# Altium PCB spin5v1_simple.PcbDoc (part 13 of 25)
Units mm, origin at the board's own origin, x right, y up, seen from the top; angles counter-clockwise.
Board outline 220.03 x 233.43 mm, 2 copper layers (TOP, BOTTOM), stack 0.176 mm thick; 1457 components, 4724 nets, 19245 pads, 25289 vias.
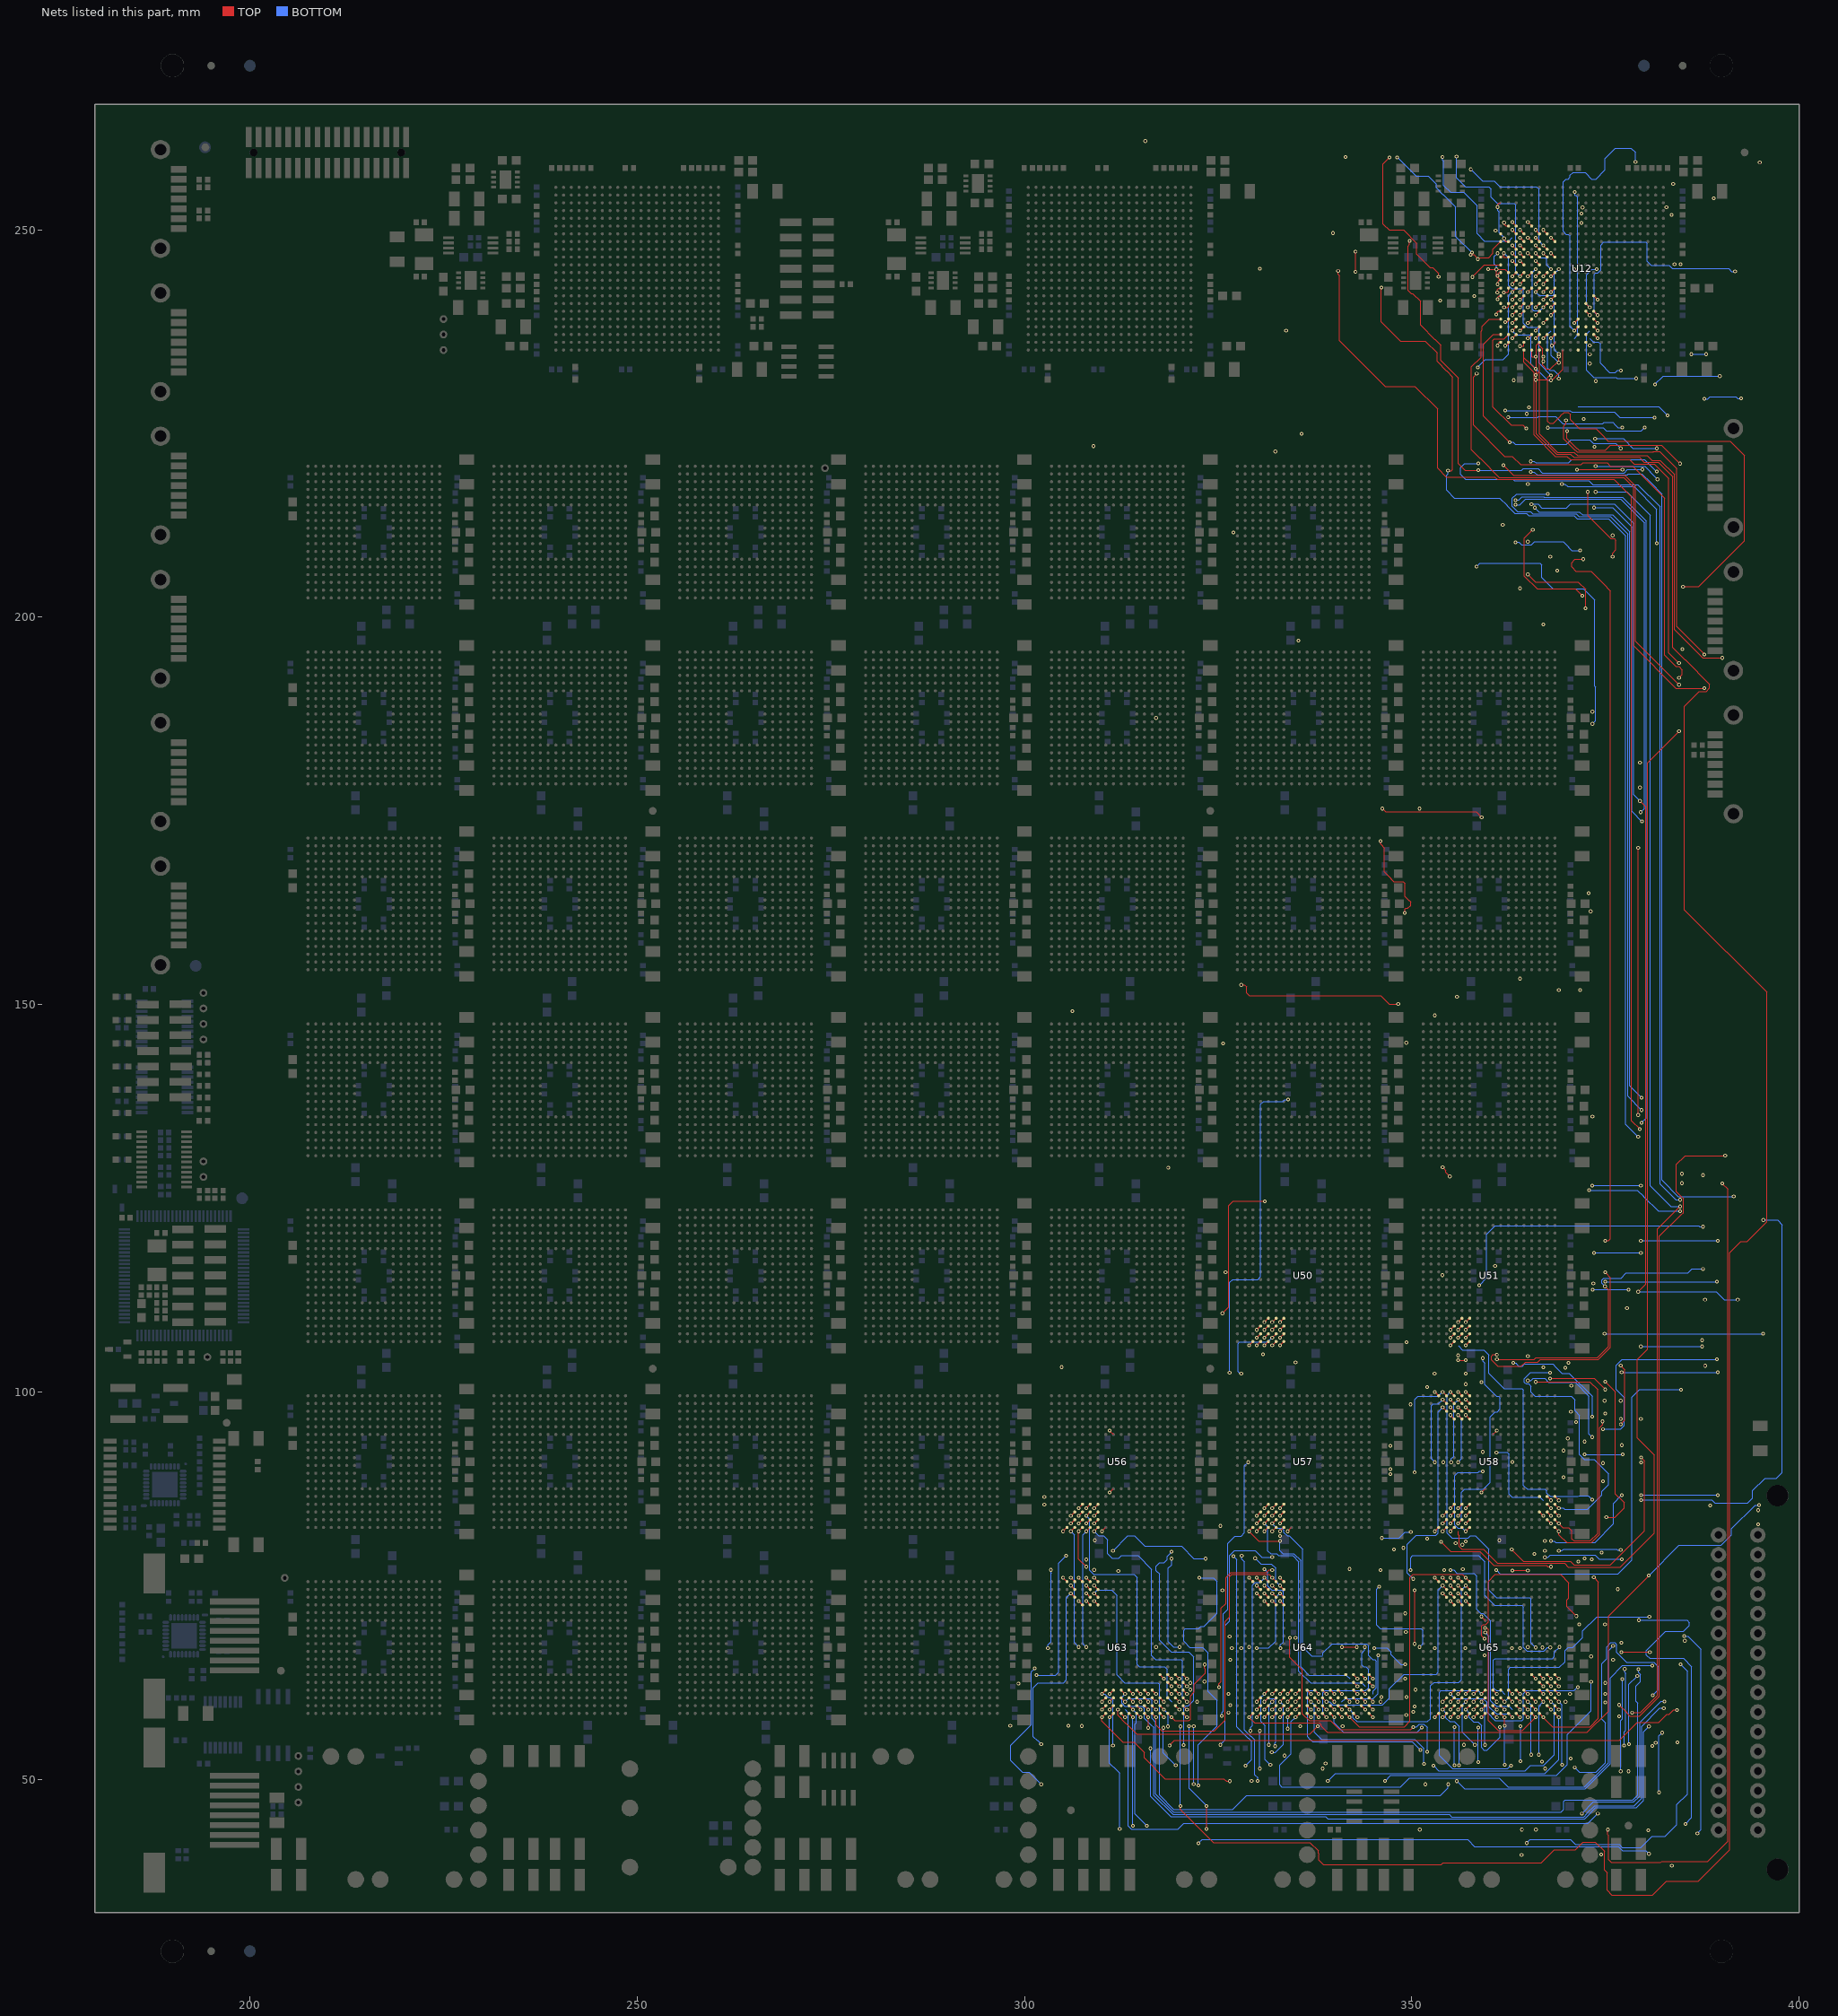
[diagram p13: the nets of this part, all layers, seen from the top]

## Via types
v1: diameter 0.48, hole 0.25, TOP to BOTTOM, 22348 vias
v2: diameter 0.61, hole 0.3, TOP to BOTTOM, 2059 vias
v3: diameter 0.8, hole 0, TOP to BOTTOM, 882 vias

## Nets (pads, with @x,y where several pads share a name; then routed paths per layer and width w, separated by ;. In a path a pad name is that pad's centre, name@x,y a point inside that pad or via, vN(x,y) a via of type N, cw(c..) or ccw(c..) an arc to the next point about the centre after c; other vN are vias at no path point) (continued)
S31_L2<5>: U51.V5 U58.P16 | length 11.6
  BOTTOM w0.127: v1(360.955,92.172) 362.362,92.172 362.561,91.973 362.561,86.828 362.958,86.431 366.569,86.431 367,86
  other v1: 355,106 353.966,115.066 360.776,116.258
S31_L2<6>: U51.U5 U58.P17
  other v1: 368,86 372.325,93.586 370.564,97.453 355,107
S31_L2<7>: U51.T5 U58.P18 | length 1
  TOP w0.127: v1(356,104.093) v1(357,104.093)
  other v1: 369,86 370.163,93.998 365,104.636 355,108
S31_L2<8>: U51.R7 U58.V18 | length 21.3
  TOP w0.127: v1(369,82) 369,81.546 370.016,80.53 373.201,80.53 374.281,81.61 374.281,95.4 374.65,95.769 v1(374.65,96.2)
  other v1: 357,109
S31_L2<9>: U51.V6 U58.R17 | length 34.4
  BOTTOM w0.127: 356,106 356.578,105.422 359.304,105.422 359.939,104.787 359.939,102.4 361.908,100.431 364.232,100.431 364.431,100.232 364.431,87.939 364.939,87.431 367.232,87.431 367.431,87.232 367.431,86.949 367.876,86.504 371.494,86.504 371.579,86.589 372.808,86.589 v1(373.315,86.082)
  other v1: 372.312,78.484 367.2,80.749 368,85
S31_L2<10>: U51.U6 U58.R18 | length 33.5
  BOTTOM w0.127: v1(367.862,102.485) 365.363,102.485 364.569,101.691 364.569,101.237 364.768,101.038 365.113,101.038 365.431,100.72 365.431,99.939 365.939,99.431 370.613,99.431 371.058,98.986 371.058,97.582 371.668,96.972 371.668,91.909 372.303,91.274 373.558,91.274 375.4,89.432 375.4,88.037 374.539,87.176 374.539,86.679 372.697,84.837 369.767,84.837 369.604,85 v1(369,85)
  other v1: 356,107
S31_L2<11>: U51.T6 U58.T16 | length 14.9
  BOTTOM w0.127: v1(363.117,103.744) 363.548,103.744 363.548,103.594 363.802,103.34 364.301,103.34 364.562,103.601 368.219,103.601 368.616,103.204 368.616,103.175 369.378,102.413 370.342,102.413 373.327,99.428 v1(373.327,96.8)
  other v1: 367,84 356,108
S31_L2<12>: U51.R6 U58.T17
  other v1: 368,84 369.607,88.984 359.2,92.258 369.607,92.431 356,104.7 356,109
S31_L2<13>: U51.V7 U58.T18
  other v1: 369,84 370.627,100.807 357,106
S31_L2<14>: U51.U7 U58.U17 | length 15.5
  TOP w0.127: v1(353.8,80.642) 355.034,79.408 358.817,79.408 359.611,78.614 359.611,78.605 360.627,77.589 367.415,77.589 367.569,77.435 v1(368,77.435)
  other v1: 368,83 357,107
S31_L2<15>: U51.T7 U58.U18 | length 33.9
  TOP w0.127: v1(366,101.297) 373.011,101.297 374.027,100.281 374.027,81.737 373.074,80.784 370.947,80.784 370.693,81.038 370.693,82.051 370.248,82.496 369.504,82.496 v1(369,83)
  other v1: 359,101.254 357,108
S31_L5<0>: U12.F2 U58.R5 | length 2.5
  TOP w0.127: v1(354,129.015) 354.431,128.584 354.431,128.312 v1(354.934,127.809) ; v1(361.931,250.931) 361.931,250.74 362.171,250.5 U12.F2@362.5,250.5
  other v1: 355,85 360.834,249.931 361.901,250.966
S31_L5<1>: U12.F3 U58.V3 | length 7.7
  TOP w0.127: v1(367.862,101.728) 373.582,101.728 374.535,100.775 374.535,100.773 v1(375,100.308)
  other v1: 353,82 357,102.37 373.001,232.754 363,251
S31_L5<2>: U12.F5 U58.V4 | length 24.4
  BOTTOM w0.127: v1(374.713,95.2) 376.987,95.2 377.432,95.645 377.432,99.285 376.416,100.301 376.416,103.444 377.178,104.206 v1(389.413,104.206)
  other v1: 354,82 365,251 382.901,252.931
S31_L5<3>: U12.G1 U58.U4 | length 85.7
  TOP w0.127: v1(349.731,248.567) 349.731,248.136 349.534,247.939 349.534,242.189 349.931,241.792 350.129,241.792 351.145,240.776 351.145,237.736 352.987,235.894 352.998,235.894 353.792,235.1 353.792,233.132 354.586,232.338 354.596,232.338 356.057,230.877 356.057,219.812 356.883,218.986 v1(358.6,218.986) ; v1(362.917,79.642) 364.436,78.123 370.52,78.123 370.99,77.653 375.68,77.653 380.062,82.035 380.062,91.086 v1(379.631,91.517)
  BOTTOM w0.127: v1(358.6,218.986) 364.209,218.986 364.401,219.178 366.321,219.178 366.866,218.633 377.433,218.633 377.874,219.074 v1(379.82,219.074)
  other v1: 354,83
S31_L5<4>: U12.G3 U58.T4
  other v1: 373.265,78.404 365.86,79.066 354,84 372.2,225.592 363,250 371.931,250.901
S31_L5<5>: U12.G4 U58.V5
  other v1: 355,82 357,101 370.227,103.739 364,250
S31_L5<6>: U12.G6 U58.U5
  other v1: 355,83 367,233.647 366,250
S31_L5<7>: U12.G7 U58.T5
  other v1: 374.542,79.266 367.2,79.5 355,84 373,233.954 367,250 371.932,252.099
S31_L5<8>: U12.H1 U58.R7 | length 138.2
  TOP w0.127: v1(361,104.811) 360.515,104.811 360.316,104.612 360.316,104.107 361.11,103.313 364.16,103.313 364.702,103.855 366.289,103.855 366.604,104.17 374.097,104.17 375.685,105.758 375.685,114.746 v1(375,115.431) ; v1(372.143,207.503) 371.102,207.503 370.657,207.058 370.657,206.508 371.229,205.936 373.163,205.936 374.751,204.348 374.751,204.343 375.685,203.409 375.685,119.757 375.431,119.503 v1(375,119.503)
  BOTTOM w0.127: v1(348.131,259.368) 350.568,256.931 352.173,256.931 353.189,255.915 353.189,255.421 354.015,254.595 354.046,254.595 355.697,252.944 355.697,249.164 v1(357.796,247.065)
  other v1: 357,85 358.531,246.244 357.619,246.8
S31_L5<9>: U12.H2 U58.V6 | length 141
  TOP w0.127: 356,82 356,81.569 356.116,81.453 356.116,80.059 356.513,79.662 359.293,79.662 360.119,78.836 360.119,78.822 361.072,77.869 369.758,77.869 370.228,77.399 376.939,77.399 381.321,81.781 381.321,91.861 379.115,94.067 379.115,104.164 380.465,105.514 380.465,181.224 v1(384.52,185.279)
  BOTTOM w0.127: v1(361.099,252.931) 361.099,252.5 361.296,252.303 361.296,249.635 v1@361.931,249
  other v1: 361.931,248.901 361.099,252.998
S31_L5<10>: U12.H3 U58.U6 | length 79.5
  BOTTOM w0.127: v1(353.993,259.417) 353.993,258.986 354.131,258.848 354.131,255.738 355.02,254.849 356.72,254.849 358.435,253.134 358.435,249.522 359.388,248.569 362.569,248.569 363,249 ; v1(356,83) 356.432,83.432 356.432,87.05 356.813,87.431 359.25,87.431 360.139,88.32 360.139,96.796 360.774,97.431 361.05,97.431 361.431,97.812 361.431,99.232 361.232,99.431 360.955,99.431 359.431,100.955 359.431,103.703 359.2,103.934 v1(359.2,104.365) ; v1(358.736,113.758) 359.685,114.707 359.685,120.351 360.765,121.431 387.068,121.431 387.169,121.33 v1(387.6,121.33)
  other v1: 359,87 361,95
S31_L5<11>: U12.H4 U58.T6 | length 2.6
  TOP w0.127: v1(342.758,244.607) v1(342.758,247.2)
  other v1: 356,84 363.17,230.602 364,249
S31_L5<12>: U12.H5 U58.R6
  other v1: 356,85 365,249
S31_L5<13>: U12.H6 U58.V7 | length 51.4
  TOP w0.127: v1(379.249,135.75) v1(379.249,170.216)
  BOTTOM w0.127: v1(357,82) 356.569,82.431 355.95,82.431 355.569,82.812 355.569,89.185 355.95,89.566 358.593,89.566 358.769,89.742 v1(359.2,89.742) ; v1(372.315,91.917) v1(377.255,91.917)
  other v1: 366,249
S31_L5<14>: U12.H8 U58.U7
  other v1: 357,83 368,249
S31_L5<15>: U12.J1 U58.T7 | length 37.7
  TOP w0.127: v1(361.001,104.204) 365.829,104.204 366.049,104.424 373.97,104.424 375.431,105.885 375.431,113.149 v1(374.958,113.622)
  BOTTOM w0.127: v1(374.958,113.622) 374.569,114.011 374.569,114.461 374.768,114.66 377.026,114.66 377.711,115.345 385.692,115.345 386.221,115.874 v1(387.6,115.874)
  other v1: 357,84
S32_L0<0>: U12.J3 U65.R11 | length 35.4
  BOTTOM w0.127: 362,61 361.569,61.431 360.95,61.431 360.569,61.812 360.569,65.367 360.768,65.566 368.177,65.566 368.431,65.82 368.431,66.4 v1(369.1,67.069) ; v1(374.9,107.51) v1(395.398,107.51)
  other v1: 374.715,88.477 363,248
S32_L0<1>: U12.J4 U65.V10 | length 84
  TOP w0.127: v1(376.779,59.6) 377.72,58.659 377.72,58.614 378.165,58.169 379.449,58.169 381.989,60.709 381.989,120.083 384.783,122.877 384.837,122.877 385.091,123.131 385.091,124.974 384.837,125.228 384.83,125.228 384.195,125.863 384.195,129.354 385.338,130.497 v1(390.493,130.497)
  other v1: 361,58 364,248
S32_L0<2>: U12.J6 U65.U10
  other v1: 361,59 373.177,65.842 373.793,230.492 366,248 372.069,252.901
S32_L0<3>: U12.J7 U65.T10 | length 63.6
  BOTTOM w0.127: v1(357.641,257.821) 359.134,256.328 360.639,256.328 361.4,255.567 366.113,255.567 366.431,255.249 366.431,248.569 v1(367,248) ; v1(360.928,77) 361.409,76.519 376.67,76.519 378.448,78.297 378.448,99.324 379.401,100.277 v1(384.796,100.277)
  other v1: 361,60
S32_L0<4>: U12.K1 U65.R10
  other v1: 361,61 377.128,93.117
S32_L0<5>: U12.K2 U65.V11 | length 82.3
  TOP w0.127: 362,58 362,57.569 362.007,57.562 v1(362.007,56.907) ; v1(368,231.209) 367.808,231.209 367.568,230.969 367.568,225.3 367.822,225.046 368.294,225.046 369.247,225.999 369.247,226.002 369.692,226.447 370.242,226.447 370.496,226.193 370.496,225.484 371.639,224.341 373.797,224.341 374.432,223.706 374.432,223.693 375.385,222.74 391.149,222.74 392.991,220.898 392.991,209.857 387.085,203.951 v1(385.045,203.951)
  BOTTOM w0.127: v1(362.007,51.859) v1(362.007,56.907) ; 362.066,246.901 362.53,246.437 362.53,242.828 362.927,242.431 364.232,242.431 364.431,242.232 364.431,237.939 364.939,237.431 366.232,237.431 366.431,237.232 366.431,232.778 v1(368,231.209)
S32_L0<6>: U12.K3 U65.U11 | length 8.8
  BOTTOM w0.127: v1(381.407,230.061) 382.477,231.131 v1(389.786,231.131)
  other v1: 362,59 363,247
S32_L0<7>: U12.K4 U65.T11 | length 26.7
  BOTTOM w0.127: v1(362,60) 362.508,60.508 362.508,64.177 362.762,64.431 369.086,64.431 369.785,65.13 369.785,66.575 370.23,67.02 370.798,67.02 372.068,68.29 372.068,69.126 373.91,70.968 v1(380.705,70.968)
  other v1: 364,247
S32_L0<8>: U12.K5 U65.R9 | length 24
  BOTTOM w0.127: v1(359,61) 358.569,61.431 353.768,61.431 353.569,61.232 353.569,53.078 355.284,51.363 362.414,51.363 v1(362.814,51.763)
  other v1: 384.951,195.878 383.935,245.59 365,247
S32_L0<9>: U12.K6 U65.V8 | length 3.3
  BOTTOM w0.127: v1(366,247) 366.569,246.431 367.232,246.431 367.431,246.232 367.431,245.5 v1(368,244.931)
  other v1: 358,58
S32_L0<10>: U12.K7 U65.U8 | length 3.7
  TOP w0.127: v1(377.097,66.4) v1(380.749,66.4)
  other v1: 358,59 359.434,66 366.901,67 367,247
S32_L0<11>: U12.K8 U65.T8
  other v1: 358,60 374.976,62.428 371.001,244.931 368,247
S32_L0<12>: U12.L1 U65.R8 | length 65.2
  TOP w0.127: v1(358.4,231.464) 357.969,231.033 357.969,224.788 361.97,220.787 362.997,220.787 364.089,219.695 371.888,219.695 372.129,219.936 375.232,219.936 375.663,219.505 378.552,219.505 382.68,215.377 382.68,195.108 384.141,193.647 384.505,193.647 384.95,193.202 384.95,192.592 v1(384.52,192.162)
  BOTTOM w0.127: v1(355.524,51.794) v1(355.524,56.744)
  other v1: 358,61 357.842,243.927
S32_L0<13>: U12.L3 U65.V9
  other v1: 359,58 363,246
S32_L0<14>: U12.L4 U65.U9 | length 4.5
  BOTTOM w0.127: v1(358.602,52.194) v1(358.602,56.688)
  other v1: 359,59 387.488,106.672 387.887,111.896 364,246
S32_L0<15>: U12.L6 U65.T9 | length 127.5
  BOTTOM w0.127: v1(358.6,219.848) 356.832,219.848 356.324,219.34 356.324,218.451 356.959,217.816 363.09,217.816 363.29,217.616 372.887,217.616 373.379,217.124 379.214,217.124 382.072,214.266 382.072,126.829 384.104,124.797 v1(384.656,124.797) ; v1(359,60) 359.464,59.536 v1(359.464,54.441)
  other v1: 384.319,54.762 366,246
S32_L1<0>: U58.D7 U65.V16 | length 26.5
  TOP w0.127: v1(367,58) 368.216,56.784 373.036,56.784 374.116,57.864 374.116,75.484 v1(373.512,76.088)
  other v1: 371.227,96.108 357,97
S32_L1<1>: U58.A6 U65.V14
  other v1: 365,58 364,66.931 356,100
S32_L1<2>: U58.B6 U65.U14 | length 8.4
  BOTTOM w0.127: v1(355.099,90.931) 355.099,91.362 355.431,91.694 355.431,98.431 v1(356,99)
  other v1: 365,59
S32_L1<3>: U58.C6 U65.T14 | length 7
  BOTTOM w0.127: v1(365,60) 365.432,59.568 v1(365.432,53.158)
  other v1: 348.917,79.863 356,98
S32_L1<4>: U58.D6 U65.R14 | length 6.4
  BOTTOM w0.127: v1(356,90.931) 356.432,91.363 356.432,96.568 v1(356,97)
  other v1: 365,61
S32_L1<5>: U58.A7 U65.V15 | length 19.6
  TOP w0.127: v1(359.487,69.541) 359.686,69.541 359.926,69.301 359.926,57.574 361.196,56.304 364.304,56.304 366,58
  other v1: 352,81.042 357,100 352,100.607
S32_L1<6>: U58.B7 U65.U15 | length 2
  TOP w0.127: v1(363,76.95) v1(365,76.95)
  other v1: 366,59 357,99
S32_L1<7>: U58.C7 U65.T15
  other v1: 350.393,59.4 366,60 357,98 349.856,98.4
S32_L1<8>: U58.D5 U65.R13
  other v1: 364,61 354.099,90.931 355,97
S32_L1<9>: U58.A3 U65.V12 | length 13.3
  BOTTOM w0.127: v1(359.495,68.934) 359.972,68.457 359.972,59.384 360.925,58.431 362.569,58.431 363,58
  other v1: 355.685,80.463 353,100
S32_L1<10>: U58.A4 U65.U12 | length 37.4
  BOTTOM w0.127: v1(350.393,89.6) 350.393,99.034 350.79,99.431 353.431,99.431 v1(354,100) ; v1(355.014,77) 355.445,77 355.875,76.57 358.05,76.57 358.431,76.189 358.431,71.939 358.939,71.431 359.21,71.431 360.226,70.415 360.226,60.13 360.925,59.431 362.569,59.431 363,59
S32_L1<11>: U58.B4 U65.T12 | length 9.2
  BOTTOM w0.127: v1(353,90.931) 352.569,91.362 352.569,98.232 352.768,98.431 353.431,98.431 v1(354,99)
  other v1: 363,60
S32_L1<12>: U58.C4 U65.R12 | length 25.8
  BOTTOM w0.127: v1(350.204,75.862) 349.434,76.632 349.434,80.33 350.577,81.473 353.113,81.473 353.431,81.791 353.431,97.431 v1(354,98)
  other v1: 363,61 350.482,61.57
S32_L1<13>: U58.A5 U65.V13 | length 42.6
  BOTTOM w0.127: v1(355,100) 354.568,99.568 354.568,81.773 355.203,81.138 357.299,81.138 357.564,81.403 358.224,81.403 359.939,79.688 359.939,74.447 360.955,73.431 365.232,73.431 365.431,73.232 365.431,67.582 v1(366.013,67)
  other v1: 364,58
S32_L1<14>: U58.B5 U65.U13
  other v1: 364,59 356.547,80.263 355,99
S32_L1<15>: U58.C5 U65.T13
  other v1: 364,60 361.328,80.842 355,98
S32_L2<0>: U50.R5 U65.R16
  other v1: 367,61 330.8,104.842 331,109
S32_L2<1>: U50.V3 U65.N15 | length 5.1
  BOTTOM w0.127: v1(345.174,66.931) 346.837,66.931 347.345,66.423 347.345,66.089 348.615,64.819 v1(349.167,64.819)
  other v1: 366,63 329,67.069 329,106
S32_L2<2>: U50.V4 U65.N16
  other v1: 349.342,60.6 367,63 347.237,89.4 330,106
S32_L2<3>: U50.U4 U65.N17 | length 16.9
  BOTTOM w0.127: v1(330.4,51.363) v1(330.4,56.242) ; v1(376.992,51.022) 376.992,57.576 377.212,57.796 v1(377.212,62.916)
  other v1: 368,63 330,107
S32_L2<4>: U50.T4 U65.N18
  other v1: 369.863,60 369,63 330,108
S32_L2<5>: U50.V5 U65.P16
  other v1: 367,62 354.207,77.001 335,103.79 331,106
S32_L2<6>: U50.U5 U65.P17
  other v1: 368,62 347.267,90.007 331,107
S32_L2<7>: U50.T5 U65.P18 | length 66.3
  BOTTOM w0.127: v1(328.063,78.854) 328.063,78.423 328.432,78.054 328.432,56.361 329.226,55.567 329.256,55.567 329.764,55.059 329.764,50.584 330.133,50.215 v1(330.133,49.763) ; v1(346.565,49.763) 347.293,50.491 368.72,50.491 370.117,51.888 370.117,55.773 371.324,56.98 371.335,56.98 373.177,58.822 v1(373.177,62.558)
  other v1: 369,62 331,108
S32_L2<8>: U50.R7 U65.V18 | length 71.1
  BOTTOM w0.127: v1(325.481,58.189) 325.481,58.62 325.658,58.797 325.658,71.355 326.259,71.956 326.259,80.413 327.212,81.366 327.986,81.366 328.431,81.811 328.431,90.461 v1(328.901,90.931) ; v1(339.177,49.761) 340.161,50.745 367.222,50.745 369,52.523 v1(369,58)
  other v1: 368,60 333,109
S32_L2<9>: U50.V6 U65.R17
  other v1: 368,61 349.167,63 347.252,93.023 332,106
S32_L2<10>: U50.U6 U65.R18 | length 8.9
  BOTTOM w0.127: v1(328,102.367) 327.809,102.367 327.569,102.607 327.569,106.232 327.768,106.431 331.431,106.431 v1(332,107)
  other v1: 335.6,56.842 369,61 328,66.931
S32_L2<11>: U50.T6 U65.T16 | length 38.1
  TOP w0.127: v1(334.264,68.242) 334.264,65.75 335.891,64.123 335.891,58.458 336.78,57.569 339.496,57.569 340.654,56.411 349.871,56.411 v1(350.204,56.744)
  BOTTOM w0.127: v1(350.204,56.744) 350.635,56.744 351.01,57.119 351.568,57.119 352.013,56.674 v1(352.013,53.558) ; v1(366.431,53.158) 366.431,59.431 v1(367,60)
  other v1: 332,108
S32_L2<12>: U50.R6 U65.T17 | length 52
  BOTTOM w0.127: v1(327,78.782) 327.432,78.35 327.432,56.774 328.893,55.313 328.913,55.313 329.31,54.916 329.31,52.523 v1(328.55,51.763) ; v1(352.819,51.763) 353.473,51.109 364.68,51.109 365.365,51.794 367.035,51.794 368.432,53.191 368.432,59.568 368,60
  other v1: 332,109
S32_L2<13>: U50.V7 U65.T18 | length 39.4
  BOTTOM w0.127: v1(325.298,54.441) 325.912,55.055 325.912,69.831 326.513,70.432 326.513,78.904 327.148,79.539 329.793,79.539 330.669,78.663 v1(332,78.663) ; v1(369,60) 369.432,59.568 v1(369.432,51.862)
  other v1: 333,106
S32_L2<14>: U50.U7 U65.U17
  other v1: 350.204,58.693 368,59 333,107
S32_L2<15>: U50.T7 U65.U18
  other v1: 369,59 333,108
S32_L5<0>: U12.M1 U65.R5 | length 158.6
  TOP w0.127: v1(346.083,242.568) 346.083,238.117 348.56,235.64 351.76,235.64 353.284,234.116 353.284,233.037 354.491,231.83 354.501,231.83 355.295,231.036 355.295,219.059 355.168,218.932 v1(354.7,218.932)
  BOTTOM w0.127: v1(354.7,218.932) 354.7,218.501 354.511,218.312 354.511,216.394 355.527,215.378 361.367,215.378 362.32,214.425 362.32,214.399 363.336,213.383 364.848,213.383 365.139,213.092 370.997,213.092 371.363,212.726 375.435,212.726 377.658,210.503 377.658,134.511 v1(379.249,132.92) ; v1(355,61) 355.569,60.431 359.21,60.431 359.718,59.923 359.718,58.649 360.798,57.569 364.232,57.569 364.431,57.768 364.431,61.05 364.812,61.431 370.994,61.431 v1(371.455,61.892)
  other v1: 362,58 363,58 366,58 359,71 377.8,110.796 361.099,243 361.099,244.065 359.895,244.927
S32_L5<1>: U12.M2 U65.V3 | length 141.7
  TOP w0.127: v1(340.508,244.726) 340.508,244.295 340.685,244.118 340.685,235.7 346.591,229.794 350.415,229.794 353.336,226.873 353.336,219.267 354.479,218.124 360.743,218.124 361.059,217.808 376.118,217.808 376.809,217.117 376.814,217.117 378.402,215.529 378.402,134.999 v1(379.465,133.936)
  other v1: 353,58 374.976,59.925 379.594,96.531
S32_L5<2>: U12.M3 U65.V4
  other v1: 354,58 376.781,58.117 384.884,126.952 373.001,235.099 363,244 384.705,245.591 383.566,251.931
S32_L5<3>: U12.M4 U65.U4 | length 30.3
  BOTTOM w0.127: v1(354,59) 354.431,58.569 354.431,57.937 354.939,57.429 355.496,57.429 356.131,56.794 v1(356.131,51.794) ; v1(355.793,259.459) 355.793,256.709 356.936,255.566 359.94,255.566 360.258,255.248 360.258,254.257 361.084,253.431 363.232,253.431 363.431,253.232 363.431,244.569 v1(364,244)
S32_L5<4>: U12.M5 U65.T4
  other v1: 354,60 365,244
S32_L5<5>: U12.M6 U65.V5
  other v1: 355,58 371.637,69.978 374.959,69.978 366,244
S32_L5<6>: U12.M7 U65.U5 | length 44.3
  TOP w0.127: v1(359.434,68.134) 359.056,68.512 359.056,69.773 359.255,69.972 359.573,69.972 359.891,70.29 359.891,75.542 360.78,76.431 369.213,76.431 370.293,75.351 370.293,73.389 370.069,73.165 370.069,72.26 v1(371.268,71.061) ; v1(375,101.308) 376.308,100 376.308,86.828 377.197,85.939 377.232,85.939 377.431,85.74 377.431,85.02 376.224,83.813 v1(375.146,83.813)
  other v1: 355,59 367,103.17 366.999,233.04 367,244
S32_L5<7>: U12.M8 U65.T5
  other v1: 355,60 376.6,74.538 368,244
S32_L5<8>: U12.N1 U65.R7 | length 4
  TOP w0.127: v1(360.943,244.901) 360.943,244.057 U12.N1@361.5,243.5
  BOTTOM w0.127: v1(360.943,244.901) 360.943,245.332 360.668,245.607 360.668,246.569 v1(361.099,247)
  other v1: 366.831,52.262 381.502,54.717 357,61
S32_L5<9>: U12.N3 U65.V6
  other v1: 356,58 374.714,90.8 373.342,187.807 361.769,211.936 363,243
S32_L5<10>: U12.N4 U65.U6
  other v1: 356,59 364,243
S32_L5<11>: U12.N6 U65.T6
  other v1: 356,60 366,243
S32_L5<12>: U12.N7 U65.R6 | length 13.9
  TOP w0.127: v1(371.35,219.064) v1(377.222,219.064) ; v1(377,103.392) 377.532,102.86 377.532,96.362 v1(377.001,95.831)
  other v1: 356,61 367,243
S32_L5<13>: U12.P1 U65.V7 | length 25.3
  TOP w0.127: v1(345.99,171.087) 345.99,170.701 346.486,170.205 346.486,167.117 347.366,166.237 347.366,166.184 347.684,165.866 348.912,165.866 349.166,165.612 349.166,163.939 349.674,163.431 349.688,163.431 349.887,163.232 349.887,162.812 349.506,162.431 349.266,162.431 349.166,162.331 349.166,162.312 349.127,162.273 v1(349.127,161.842) ; v1(346.231,175.297) 346.663,174.865 358.327,174.865 v1(359.034,174.158)
  other v1: 357,58 352.966,102.358 349.342,106.4 361.069,241.931
S32_L5<14>: U12.P2 U65.U7 | length 193.9
  TOP w0.127: v1(365.639,211.31) 364.569,210.24 364.569,205.316 366.22,203.665 371.149,203.665 v1(372.034,202.78) ; v1(378.48,58.6) 379.512,58.6 381.735,60.823 381.735,121.014 v1(384.656,123.935)

## Text inside footprints (layer, text, board x,y; h text height)
U17: PIN_NUMBER "M17" at 247.166,208.5 h0.24; PIN_NUMBER "M18" at 248.166,208.5 h0.24; PIN_NUMBER "J18" at 248.166,211.5 h0.24; PIN_NUMBER "J17" at 247.166,211.5 h0.24; PIN_NUMBER "C16" at 246.166,217.5 h0.24; PIN_NUMBER "G17" at 247.166,213.5 h0.24; PIN_NUMBER "J16" at 246.166,211.5 h0.24; PIN_NUMBER "C17" at 247.166,217.5 h0.24; PIN_NUMBER "C18" at 248.166,217.5 h0.24; PIN_NUMBER "D16" at 246.166,216.5 h0.24; PIN_NUMBER "K15" at 245.166,210.5 h0.24; PIN_NUMBER "K16" at 246.166,210.5 h0.24; PIN_NUMBER "E18" at 248.166,215.5 h0.24; PIN_NUMBER "F16" at 246.166,214.5 h0.24; PIN_NUMBER "M16" at 246.166,208.5 h0.24; PIN_NUMBER "P14" at 244.166,206.5 h0.24; PIN_NUMBER "N13" at 243.166,207.5 h0.24; PIN_NUMBER "N14" at 244.166,207.5 h0.24; PIN_NUMBER "M12" at 242.166,208.5 h0.24; PIN_NUMBER "M13" at 243.166,208.5 h0.24; PIN_NUMBER "M14" at 244.166,208.5 h0.24; PIN_NUMBER "H12" at 242.166,212.5 h0.24; PIN_NUMBER "H13" at 243.166,212.5 h0.24; PIN_NUMBER "H14" at 244.166,212.5 h0.24; PIN_NUMBER "E6" at 235.854,215.5 h0.24; PIN_NUMBER "E7" at 236.854,215.5 h0.24; PIN_NUMBER "F7" at 236.854,214.5 h0.24; PIN_NUMBER "E8" at 237.854,215.5 h0.24; PIN_NUMBER "F8" at 237.854,214.5 h0.24; PIN_NUMBER "L5" at 234.854,209.5 h0.24; PIN_NUMBER "L6" at 235.854,209.5 h0.24; PIN_NUMBER "L7" at 236.854,209.5 h0.24; PIN_NUMBER "G7" at 236.854,213.5 h0.24; PIN_NUMBER "G5" at 234.854,213.5 h0.24; PIN_NUMBER "G6" at 235.854,213.5 h0.24; PIN_NUMBER "F5" at 234.854,214.5 h0.24; PIN_NUMBER "F6" at 235.854,214.5 h0.24; PIN_NUMBER "E5" at 234.854,215.5 h0.24; PIN_NUMBER "P11" at 241.166,206.5 h0.24; PIN_NUMBER "N11" at 241.166,207.5 h0.24; PIN_NUMBER "P12" at 242.166,206.5 h0.24; PIN_NUMBER "N12" at 242.166,207.5 h0.24; PIN_NUMBER "P13" at 243.166,206.5 h0.24; PIN_NUMBER "K12" at 242.166,210.5 h0.24; PIN_NUMBER "K13" at 243.166,210.5 h0.24; PIN_NUMBER "K14" at 244.166,210.5 h0.24; PIN_NUMBER "E10" at 239.936,215.5 h0.24; PIN_NUMBER "F10" at 239.936,214.5 h0.24; PIN_NUMBER "J5" at 234.854,211.5 h0.24; PIN_NUMBER "J6" at 235.854,211.5 h0.24; PIN_NUMBER "J7" at 236.854,211.5 h0.24; PIN_NUMBER "N9" at 238.854,207.5 h0.24; PIN_NUMBER "P9" at 238.854,206.5 h0.24; PIN_NUMBER "B18" at 248.166,218.5 h0.24; PIN_NUMBER "G16" at 246.166,213.5 h0.24; PIN_NUMBER "C13" at 243.166,217.5 h0.24; PIN_NUMBER "B13" at 243.166,218.5 h0.24; PIN_NUMBER "A13" at 243.166,219.5 h0.24; PIN_NUMBER "D14" at 244.166,216.5 h0.24; PIN_NUMBER "C14" at 244.166,217.5 h0.24; PIN_NUMBER "B14" at 244.166,218.5 h0.24; PIN_NUMBER "A14" at 244.166,219.5 h0.24; PIN_NUMBER "K17" at 247.166,210.5 h0.24; PIN_NUMBER "K18" at 248.166,210.5 h0.24; PIN_NUMBER "L15" at 245.166,209.5 h0.24; PIN_NUMBER "L16" at 246.166,209.5 h0.24; PIN_NUMBER "A8" at 237.854,219.5 h0.24; PIN_NUMBER "D9" at 238.854,216.5 h0.24; PIN_NUMBER "C11" at 241.166,217.5 h0.24; PIN_NUMBER "B11" at 241.166,218.5 h0.24; PIN_NUMBER "A11" at 241.166,219.5 h0.24; PIN_NUMBER "D10" at 239.936,216.5 h0.24; PIN_NUMBER "C10" at 239.936,217.5 h0.24; PIN_NUMBER "B10" at 239.936,218.5 h0.24; PIN_NUMBER "A10" at 239.936,219.5 h0.24; PIN_NUMBER "C9" at 238.854,217.5 h0.24; PIN_NUMBER "B9" at 238.854,218.5 h0.24; PIN_NUMBER "A9" at 238.854,219.5 h0.24; PIN_NUMBER "D8" at 237.854,216.5 h0.24; PIN_NUMBER "C8" at 237.854,217.5 h0.24; PIN_NUMBER "B8" at 237.854,218.5 h0.24; PIN_NUMBER "D11" at 241.166,216.5 h0.24; PIN_NUMBER "R17" at 247.166,205.5 h0.24; PIN_NUMBER "V18" at 248.166,202.5 h0.24; PIN_NUMBER "P18" at 248.166,206.5 h0.24; PIN_NUMBER "P17" at 247.166,206.5 h0.24; PIN_NUMBER "P16" at 246.166,206.5 h0.24; PIN_NUMBER "N18" at 248.166,207.5 h0.24; PIN_NUMBER "N17" at 247.166,207.5 h0.24; PIN_NUMBER "N16" at 246.166,207.5 h0.24; PIN_NUMBER "N15" at 245.166,207.5 h0.24; PIN_NUMBER "U18" at 248.166,203.5 h0.24; PIN_NUMBER "T18" at 248.166,204.5 h0.24; PIN_NUMBER "T17" at 247.166,204.5 h0.24; PIN_NUMBER "T16" at 246.166,204.5 h0.24; PIN_NUMBER "R18" at 248.166,205.5 h0.24; PIN_NUMBER "R16" at 246.166,205.5 h0.24; PIN_NUMBER "V12" at 242.166,202.5 h0.24; PIN_NUMBER "R13" at 243.166,205.5 h0.24; PIN_NUMBER "T15" at 245.166,204.5 h0.24; PIN_NUMBER "U15" at 245.166,203.5 h0.24; PIN_NUMBER "V15" at 245.166,202.5 h0.24; PIN_NUMBER "R14" at 244.166,205.5 h0.24; PIN_NUMBER "T14" at 244.166,204.5 h0.24; PIN_NUMBER "U14" at 244.166,203.5 h0.24; PIN_NUMBER "V14" at 244.166,202.5 h0.24; PIN_NUMBER "T13" at 243.166,204.5 h0.24; PIN_NUMBER "U13" at 243.166,203.5 h0.24; PIN_NUMBER "V13" at 243.166,202.5 h0.24; PIN_NUMBER "R12" at 242.166,205.5 h0.24; PIN_NUMBER "T12" at 242.166,204.5 h0.24; PIN_NUMBER "U12" at 242.166,203.5 h0.24; PIN_NUMBER "V16" at 246.166,202.5 h0.24; PIN_NUMBER "A3" at 232.854,219.5 h0.24; PIN_NUMBER "D5" at 234.854,216.5 h0.24; PIN_NUMBER "C7" at 236.854,217.5 h0.24; PIN_NUMBER "B7" at 236.854,218.5 h0.24; PIN_NUMBER "A7" at 236.854,219.5 h0.24; PIN_NUMBER "D6" at 235.854,216.5 h0.24; PIN_NUMBER "C6" at 235.854,217.5 h0.24; PIN_NUMBER "B6" at 235.854,218.5 h0.24; PIN_NUMBER "A6" at 235.854,219.5 h0.24; PIN_NUMBER "C5" at 234.854,217.5 h0.24; PIN_NUMBER "B5" at 234.854,218.5 h0.24; PIN_NUMBER "A5" at 234.854,219.5 h0.24; PIN_NUMBER "C4" at 233.854,217.5 h0.24; PIN_NUMBER "B4" at 233.854,218.5 h0.24; PIN_NUMBER "A4" at 233.854,219.5 h0.24; PIN_NUMBER "D7" at 236.854,216.5 h0.24; PIN_NUMBER "V8" at 237.854,202.5 h0.24; PIN_NUMBER "R9" at 238.854,205.5 h0.24; PIN_NUMBER "T11" at 241.166,204.5 h0.24; PIN_NUMBER "U11" at 241.166,203.5 h0.24; PIN_NUMBER "V11" at 241.166,202.5 h0.24; PIN_NUMBER "R10" at 239.936,205.5 h0.24; PIN_NUMBER "T10" at 239.936,204.5 h0.24; PIN_NUMBER "U10" at 239.936,203.5 h0.24; PIN_NUMBER "V10" at 239.936,202.5 h0.24; PIN_NUMBER "T9" at 238.854,204.5 h0.24; PIN_NUMBER "U9" at 238.854,203.5 h0.24; PIN_NUMBER "V9" at 238.854,202.5 h0.24; PIN_NUMBER "R8" at 237.854,205.5 h0.24; PIN_NUMBER "T8" at 237.854,204.5 h0.24; PIN_NUMBER "U8" at 237.854,203.5 h0.24; PIN_NUMBER "R11" at 241.166,205.5 h0.24; PIN_NUMBER "V6" at 235.854,202.5 h0.24; PIN_NUMBER "R7" at 236.854,205.5 h0.24; PIN_NUMBER "T5" at 234.854,204.5 h0.24; PIN_NUMBER "U5" at 234.854,203.5 h0.24; PIN_NUMBER "V5" at 234.854,202.5 h0.24; PIN_NUMBER "T4" at 233.854,204.5 h0.24; PIN_NUMBER "U4" at 233.854,203.5 h0.24; PIN_NUMBER "V4" at 233.854,202.5 h0.24; PIN_NUMBER "V3" at 232.854,202.5 h0.24; PIN_NUMBER "T7" at 236.854,204.5 h0.24; PIN_NUMBER "U7" at 236.854,203.5 h0.24; PIN_NUMBER "V7" at 236.854,202.5 h0.24; PIN_NUMBER "R6" at 235.854,205.5 h0.24; PIN_NUMBER "T6" at 235.854,204.5 h0.24; PIN_NUMBER "U6" at 235.854,203.5 h0.24; PIN_NUMBER "R5" at 234.854,205.5 h0.24; PIN_NUMBER "C15" at 245.166,217.5 h0.24; PIN_NUMBER "B15" at 245.166,218.5 h0.24; PIN_NUMBER "A15" at 245.166,219.5 h0.24; PIN_NUMBER "B16" at 246.166,218.5 h0.24; PIN_NUMBER "A16" at 246.166,219.5 h0.24; PIN_NUMBER "A17" at 247.166,219.5 h0.24; PIN_NUMBER "A18" at 248.166,219.5 h0.24; PIN_NUMBER "B17" at 247.166,218.5 h0.24; PIN_NUMBER "H16" at 246.166,212.5 h0.24; PIN_NUMBER "H15" at 245.166,212.5 h0.24; PIN_NUMBER "B12" at 242.166,218.5 h0.24; PIN_NUMBER "C12" at 242.166,217.5 h0.24; PIN_NUMBER "A12" at 242.166,219.5 h0.24; PIN_NUMBER "D13" at 243.166,216.5 h0.24; PIN_NUMBER "F17" at 247.166,214.5 h0.24; PIN_NUMBER "F18" at 248.166,214.5 h0.24; PIN_NUMBER "D17" at 247.166,216.5 h0.24; PIN_NUMBER "D18" at 248.166,216.5 h0.24; PIN_NUMBER "E16" at 246.166,215.5 h0.24; PIN_NUMBER "E17" at 247.166,215.5 h0.24; PIN_NUMBER "L12" at 242.166,209.5 h0.24; PIN_NUMBER "L13" at 243.166,209.5 h0.24; PIN_NUMBER "L14" at 244.166,209.5 h0.24; PIN_NUMBER "L17" at 247.166,209.5 h0.24; PIN_NUMBER "L18" at 248.166,209.5 h0.24; PIN_NUMBER "J12" at 242.166,211.5 h0.24; PIN_NUMBER "J13" at 243.166,211.5 h0.24; PIN_NUMBER "J14" at 244.166,211.5 h0.24; PIN_NUMBER "H17" at 247.166,212.5 h0.24; PIN_NUMBER "H18" at 248.166,212.5 h0.24; PIN_NUMBER "G12" at 242.166,213.5 h0.24; PIN_NUMBER "G13" at 243.166,213.5 h0.24; PIN_NUMBER "G14" at 244.166,213.5 h0.24; PIN_NUMBER "F13" at 243.166,214.5 h0.24; PIN_NUMBER "F14" at 244.166,214.5 h0.24; PIN_NUMBER "E14" at 244.166,215.5 h0.24; PIN_NUMBER "E9" at 238.854,215.5 h0.24; PIN_NUMBER "F9" at 238.854,214.5 h0.24; PIN_NUMBER "F11" at 241.166,214.5 h0.24; PIN_NUMBER "E11" at 241.166,215.5 h0.24; PIN_NUMBER "F12" at 242.166,214.5 h0.24; PIN_NUMBER "E12" at 242.166,215.5 h0.24; PIN_NUMBER "E13" at 243.166,215.5 h0.24; PIN_NUMBER "P5" at 234.854,206.5 h0.24; PIN_NUMBER "N6" at 235.854,207.5 h0.24; PIN_NUMBER "N5" at 234.854,207.5 h0.24; PIN_NUMBER "M5" at 234.854,208.5 h0.24; PIN_NUMBER "M6" at 235.854,208.5 h0.24; PIN_NUMBER "M7" at 236.854,208.5 h0.24; PIN_NUMBER "K5" at 234.854,210.5 h0.24; PIN_NUMBER "K6" at 235.854,210.5 h0.24; PIN_NUMBER "K7" at 236.854,210.5 h0.24; PIN_NUMBER "H5" at 234.854,212.5 h0.24; PIN_NUMBER "H6" at 235.854,212.5 h0.24; PIN_NUMBER "H7" at 236.854,212.5 h0.24; PIN_NUMBER "P6" at 235.854,206.5 h0.24; PIN_NUMBER "N7" at 236.854,207.5 h0.24; PIN_NUMBER "P7" at 236.854,206.5 h0.24; PIN_NUMBER "N8" at 237.854,207.5 h0.24; PIN_NUMBER "P8" at 237.854,206.5 h0.24; PIN_NUMBER "P10" at 239.936,206.5 h0.24; PIN_NUMBER "N10" at 239.936,207.5 h0.24; PIN_NUMBER "D12" at 242.166,216.5 h0.24; PIN_NUMBER "G15" at 245.166,213.5 h0.24; PIN_NUMBER "M15" at 245.166,208.5 h0.24; PIN_NUMBER "G18" at 248.166,213.5 h0.24; PIN_NUMBER "R15" at 245.166,205.5 h0.24; PIN_NUMBER "P15" at 245.166,206.5 h0.24; PIN_NUMBER "J15" at 245.166,211.5 h0.24; PIN_NUMBER "F15" at 245.166,214.5 h0.24; PIN_NUMBER "E15" at 245.166,215.5 h0.24; PIN_NUMBER "D15" at 245.166,216.5 h0.24; PIN_NUMBER "V17" at 247.166,202.5 h0.24; PIN_NUMBER "U16" at 246.166,203.5 h0.24; PIN_NUMBER "M3" at 232.854,208.5 h0.24; PIN_NUMBER "M1" at 230.624,208.5 h0.24; PIN_NUMBER "R4" at 233.854,205.5 h0.24; PIN_NUMBER "N2" at 231.854,207.5 h0.24; PIN_NUMBER "F3" at 232.854,214.5 h0.24; PIN_NUMBER "D1" at 230.624,216.5 h0.24; PIN_NUMBER "D4" at 233.854,216.5 h0.24; PIN_NUMBER "D3" at 232.854,216.5 h0.24; PIN_NUMBER "C3" at 232.854,217.5 h0.24; PIN_NUMBER "C2" at 231.854,217.5 h0.24; PIN_NUMBER "C1" at 230.624,217.5 h0.24; PIN_NUMBER "B3" at 232.854,218.5 h0.24; PIN_NUMBER "B2" at 231.854,218.5 h0.24; PIN_NUMBER "V2" at 231.854,202.5 h0.24; PIN_NUMBER "V1" at 230.624,202.5 h0.24; PIN_NUMBER "B1" at 230.624,218.5 h0.24; PIN_NUMBER "U3" at 232.854,203.5 h0.24; PIN_NUMBER "U2" at 231.854,203.5 h0.24; PIN_NUMBER "U1" at 230.624,203.5 h0.24; PIN_NUMBER "T3" at 232.854,204.5 h0.24; PIN_NUMBER "T2" at 231.854,204.5 h0.24; PIN_NUMBER "T1" at 230.624,204.5 h0.24; PIN_NUMBER "R2" at 231.854,205.5 h0.24; PIN_NUMBER "R1" at 230.624,205.5 h0.24; PIN_NUMBER "P4" at 233.854,206.5 h0.24; PIN_NUMBER "P3" at 232.854,206.5 h0.24; PIN_NUMBER "A2" at 231.854,219.5 h0.24; PIN_NUMBER "P2" at 231.854,206.5 h0.24; PIN_NUMBER "P1" at 230.624,206.5 h0.24; PIN_NUMBER "N4" at 233.854,207.5 h0.24; PIN_NUMBER "N3" at 232.854,207.5 h0.24; PIN_NUMBER "F2" at 231.854,214.5 h0.24; PIN_NUMBER "F1" at 230.624,214.5 h0.24; PIN_NUMBER "E4" at 233.854,215.5 h0.24; PIN_NUMBER "E3" at 232.854,215.5 h0.24; PIN_NUMBER "E2" at 231.854,215.5 h0.24; PIN_NUMBER "E1" at 230.624,215.5 h0.24; PIN_NUMBER "A1" at 230.624,219.5 h0.24; PIN_NUMBER "R3" at 232.854,205.5 h0.24; PIN_NUMBER "N1" at 230.624,207.5 h0.24; PIN_NUMBER "F4" at 233.854,214.5 h0.24; PIN_NUMBER "D2" at 231.854,216.5 h0.24; PIN_NUMBER "J4" at 233.854,211.5 h0.24; PIN_NUMBER "J3" at 232.854,211.5 h0.24; PIN_NUMBER "M4" at 233.854,208.5 h0.24; PIN_NUMBER "J1" at 230.624,211.5 h0.24; PIN_NUMBER "J2" at 231.854,211.5 h0.24; PIN_NUMBER "M2" at 231.854,208.5 h0.24; PIN_NUMBER "G1" at 230.624,213.5 h0.24; PIN_NUMBER "G2" at 231.854,213.5 h0.24; PIN_NUMBER "K4" at 233.854,210.5 h0.24; PIN_NUMBER "H2" at 231.854,212.5 h0.24; PIN_NUMBER "L1" at 230.624,209.5 h0.24; PIN_NUMBER "H1" at 230.624,212.5 h0.24; PIN_NUMBER "L2" at 231.854,209.5 h0.24; PIN_NUMBER "G4" at 233.854,213.5 h0.24; PIN_NUMBER "L3" at 232.854,209.5 h0.24; PIN_NUMBER "G3" at 232.854,213.5 h0.24; PIN_NUMBER "L4" at 233.854,209.5 h0.24; PIN_NUMBER "K1" at 230.624,210.5 h0.24; PIN_NUMBER "H4" at 233.854,212.5 h0.24; PIN_NUMBER "K3" at 232.854,210.5 h0.24; PIN_NUMBER "H3" at 232.854,212.5 h0.24; PIN_NUMBER "K2" at 231.854,210.5 h0.24